# Altium PCB top_LM_v3.PcbDoc (part 4 of 6) (continued)
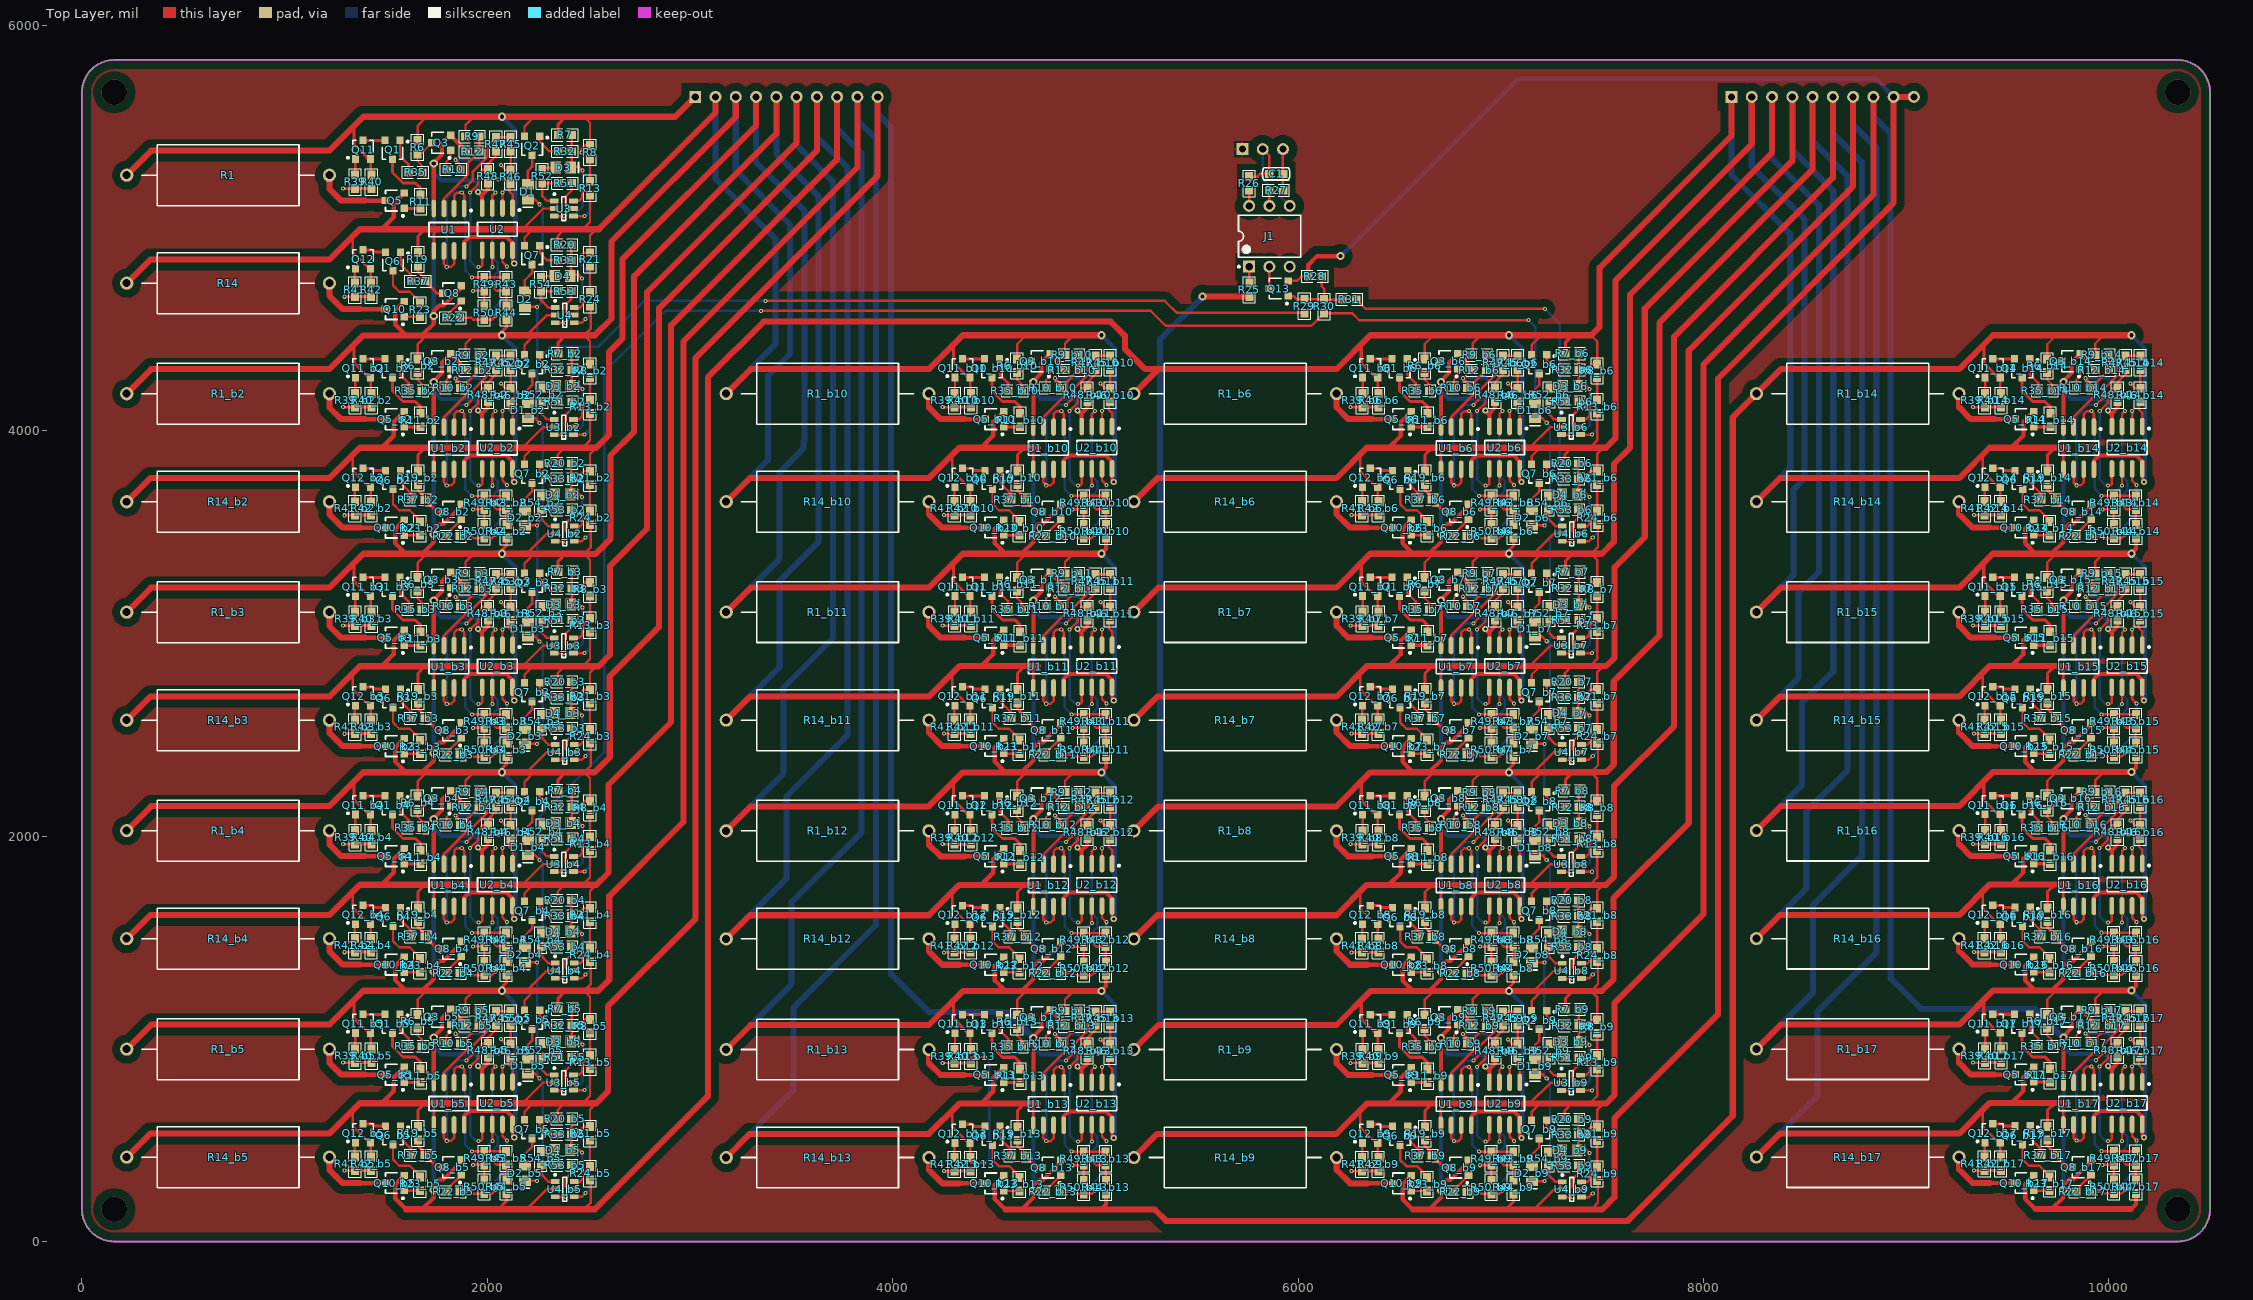
[diagram p0: Top Layer view]
## Nets (pads, with @x,y where several pads share a name; then routed paths per layer and width w, separated by ;. In a path a pad name is that pad's centre, name@x,y a point inside that pad or via, vN(x,y) a via of type N, cw(c..) or ccw(c..) an arc to the next point about the centre after c; other vN are vias at no path point) (continued)
  Bottom Layer w12: v1(7431.25,1610) 7431.25,1587 7474.25,1544 7474.25,1337 v1(7454.25,1317)
  Bottom Layer w20: v2(9776.57,1332.58) 9776.57,2037.58 ; v2(9776.57,2084.58) 9776.57,2037.58 ; v3(9995.57,1944.58) 9995.57,1983.58 9976.57,2002.58 9811.57,2002.58 9776.57,2037.58 ; v2(10112.44,1237.86) 10178.57,1171.72 10178.57,518.58 v3(10173.57,513.58)
  Bottom Layer w30: R1_b17.2@8261.57,949.58 8541.82,1229.83 8541.82,1662.32 8782.4,1902.9 8782.4,5325.9 8638.82,5469.48 P2.6@8638.82,5648.32
IN_B8: P2.8 Q3_b17.2 Q5_b9.2 Q7_b9.2 Q8_b17.2 Q10_b17.2 Q12_b9.2 R12_b17.1 R13_b9.1 R14_b9.2 R19_b9.2 R20_b9.2 R21_b9.2 R42_b9.1 R44_b17.2 R48_b17.2 U1_b9.5 U1_b17.4 U2_b17.4 U3_b9.2 U4_b9.4 | length 17992
  Top Layer w12: 6306.08,645.36 6306.08,565.58 6385.34,486.32 Q12_b9.2@6393.48,486.32 6393.48,417.64 R42_b9.1@6396.08,415.05 ; U1_b9.5@6705.08,574.09 6705.08,658.86 6727.08,680.86 ; 7139.25,680.86 7143.11,680.86 7245.25,783 U3_b9.2@7300.01,783 ; Q7_b9.2@7152.85,599.26 7152.85,638.76 7194.94,680.86 ; 7174.25,680.86 7179.11,680.86 ; R20_b9.2@7316.79,604 7316.79,647.39 7350.25,680.86 ; U4_b9.4@7398.5,219.6 7435.85,219.6 v1(7454.25,238) ; v1(7431.25,531) 7431.25,551 7445.57,565.32 R21_b9.2@7475.94,565.32 7475.94,649.86 7495.01,668.92 ; 7442.25,680.86 7442.25,683 7475.94,716.69 R13_b9.1@7475.94,850.39
  Top Layer w15: R19_b9.2@6626.94,566.32 6626.94,645.86 6661.94,680.86 6665.94,680.86
  Top Layer w20: 9720.44,162.39 9776.57,218.53 v2(9776.57,254.58) 9776.57,279.58 9803.57,306.58 9825.01,306.58 9912.83,394.4 Q8_b17.2@9912.83,403.98 ; 9740.44,158.86 9741.37,159.79 ; U1_b17.4@9776.57,785.07 v2(9776.57,1006.58) 9776.57,1012.58 9816.57,1052.58 9816.57,1103.72 Q3_b17.2@9859.83,1146.98 9859.83,1144.23 9933.11,1070.96 R12_b17.1@9933.11,1065.58 ; v3(9995.57,866.58) 10009.57,852.58 10015.57,852.58 ; U2_b17.4@10015.57,787.34 10015.57,852.58 ; R48_b17.2@10043.57,910.12 10043.57,880.58 10015.57,852.58 ; 10110.57,159.79 10134.57,183.79 R44_b17.2@10134.57,237.12
  Top Layer w22: 6447.94,680.86 6507.94,740.86 6507.94,808 Q5_b9.2@6559.2,859.26 ; Q10_b17.2@9630.7,326.26 9587.44,283 9587.44,210.86 9638.51,159.79
  Top Layer w30: R14_b9.2@5190.08,414.58 5306.35,530.86 6190.08,530.86 6340.08,680.86 6447.94,680.86 6661.94,680.86 ; 6665.94,680.86 6727.08,680.86 7139.25,680.86 ; 7143.11,680.86 7174.25,680.86 ; 7179.11,680.86 7194.94,680.86 7350.25,680.86 7442.25,680.86 7519.61,680.86 7561,722.25 7561,1176 8000.25,1615.25 8000.25,4327.3 8839,5166.05 P2.8@8839,5648 ; 9638.51,159.79 9741.37,159.79 10110.57,159.79
  Bottom Layer w12: v1(7431.25,531) 7431.25,508 7474.25,465 7474.25,258 v1(7454.25,238)
  Bottom Layer w20: v2(9776.57,254.58) 9776.57,959.58 ; v2(9776.57,1006.58) 9776.57,959.58 ; v3(9995.57,866.58) 9995.57,905.58 9976.57,924.58 9811.57,924.58 9776.57,959.58
  Bottom Layer w30: P2.8@8838.82,5648.32 8838.82,5552.32 8923.82,5467.32 8923.82,1298 9073.82,1148 9635.15,1148 v2(9776.57,1006.58)
IN_C8: P2.9 P2.10 Q3_b9.2 Q8_b9.2 Q10_b9.2 Q13.2 R12_b9.1 R24_b9.1 R28.1 R44_b9.2 R48_b9.2 U1_b9.4 U2_b9.4 U4_b9.2 | length 13259.1
  Top Layer w12: Q13.2@5951.08,4739.72 5994.23,4739.72 6016.82,4762.32 R28.1@6050.36,4762.32 ; 7164.79,158.54 7263.25,257 U4_b9.2@7304.01,257 ; 7446.67,158.2 7480.25,191.78 7480.25,297.08 R24_b9.1@7475.94,301.39
  Top Layer w15: 7027.25,157.79 7027.25,161 7063.08,196.82 R44_b9.2@7063.08,235.12
  Top Layer w20: 6648.94,160.39 6705.08,216.53 v2(6705.08,252.58) 6705.08,277.58 6732.08,304.58 6753.52,304.58 6841.34,392.4 Q8_b9.2@6841.34,401.98 ; U1_b9.4@6705.08,783.07 v2(6705.08,1004.58) 6705.08,1010.58 6745.08,1050.58 6745.08,1101.72 Q3_b9.2@6788.34,1144.98 6788.34,1142.23 6861.61,1068.96 R12_b9.1@6861.61,1063.58 ; v3(6924.08,864.58) 6938.08,850.58 6944.08,850.58 ; U2_b9.4@6944.08,785.34 6944.08,850.58 ; R48_b9.2@6972.08,908.12 6972.08,878.58 6944.08,850.58
  Top Layer w22: R28.1@6050.36,4762.32 6050.36,4818.86 6093.82,4862.32 v2(6209.82,4862.32) ; Q10_b9.2@6559.2,324.26 6515.94,281 6515.94,208.86 6566.26,158.54
  Top Layer w30: 6567.01,157.79 7027.25,157.79 7500.08,157.79 7561,218.71 7561,609 8072.62,1120.62 8072.62,4258.25 8939,5124.63 P2.9@8939,5648 ; P2.9@8938.82,5648.32 P2.10@9038.82,5648.32
  Bottom Layer w20: v2(6705.08,252.58) 6705.08,957.58 ; v2(6705.08,1004.58) 6705.08,957.58 ; v3(6924.08,864.58) 6924.08,903.58 6905.08,922.58 6740.08,922.58 6705.08,957.58
  Bottom Layer w22: v2@6210.82,4862.32 7085.5,5737 8850.14,5737 P2.9@8938.82,5648.32
NetD1_1: D1.1 Q2.3 | length 153
  Top Layer w12: D1.1@2200,5216.4 2200,5283 2221,5304 Q2.3@2221,5360.74
NetD1_b2_1: D1_b2.1 Q2_b2.3 | length 153
  Top Layer w12: D1_b2.1@2200,4138.08 2200,4204.68 2221,4225.68 Q2_b2.3@2221,4282.42
NetD1_b3_1: D1_b3.1 Q2_b3.3 | length 153
  Top Layer w12: D1_b3.1@2200,3060.08 2200,3126.68 2221,3147.68 Q2_b3.3@2221,3204.42
NetD1_b4_1: D1_b4.1 Q2_b4.3 | length 153
  Top Layer w12: D1_b4.1@2200,1982.08 2200,2048.68 2221,2069.68 Q2_b4.3@2221,2126.42
NetD1_b5_1: D1_b5.1 Q2_b5.3 | length 153
  Top Layer w12: D1_b5.1@2200,904.08 2200,970.68 2221,991.68 Q2_b5.3@2221,1048.42
NetD1_b6_1: D1_b6.1 Q2_b6.3 | length 153
  Top Layer w12: D1_b6.1@7169.25,4138.4 7169.25,4205 7190.25,4226 Q2_b6.3@7190.25,4282.74
NetD1_b7_1: D1_b7.1 Q2_b7.3 | length 153
  Top Layer w12: D1_b7.1@7169.25,3060.4 7169.25,3127 7190.25,3148 Q2_b7.3@7190.25,3204.74
NetD1_b8_1: D1_b8.1 Q2_b8.3 | length 153
  Top Layer w12: D1_b8.1@7169.25,1981.4 7169.25,2048 7190.25,2069 Q2_b8.3@7190.25,2125.74
NetD1_b9_1: D1_b9.1 Q2_b9.3 | length 153
  Top Layer w12: D1_b9.1@7169.25,902.4 7169.25,969 7190.25,990 Q2_b9.3@7190.25,1046.74
NetD1_b10_1: 
NetD1_b11_1: 
NetD1_b12_1: 
NetD1_b13_1: 
NetD1_b14_1: 
NetD1_b15_1: 
NetD1_b16_1: 
NetD1_b17_1: 
NetD2_1: D2.1 Q7.3 | length 148.2
  Top Layer w12: D2.1@2185,4687.4 2185,4743 2221,4779 Q7.3@2221,4820.74
NetD2_b2_1: D2_b2.1 Q7_b2.3 | length 148.2
  Top Layer w12: D2_b2.1@2185,3609.08 2185,3664.68 2221,3700.68 Q7_b2.3@2221,3742.42
NetD2_b3_1: D2_b3.1 Q7_b3.3 | length 148.2
  Top Layer w12: D2_b3.1@2185,2531.08 2185,2586.68 2221,2622.68 Q7_b3.3@2221,2664.42
NetD2_b4_1: D2_b4.1 Q7_b4.3 | length 148.2
  Top Layer w12: D2_b4.1@2185,1453.08 2185,1508.68 2221,1544.68 Q7_b4.3@2221,1586.42
NetD2_b5_1: D2_b5.1 Q7_b5.3 | length 148.2
  Top Layer w12: D2_b5.1@2185,375.08 2185,430.68 2221,466.68 Q7_b5.3@2221,508.42
NetD2_b6_1: D2_b6.1 Q7_b6.3 | length 148.2
  Top Layer w12: D2_b6.1@7154.25,3609.4 7154.25,3665 7190.25,3701 Q7_b6.3@7190.25,3742.74
NetD2_b7_1: D2_b7.1 Q7_b7.3 | length 148.2
  Top Layer w12: D2_b7.1@7154.25,2531.4 7154.25,2587 7190.25,2623 Q7_b7.3@7190.25,2664.74
NetD2_b8_1: D2_b8.1 Q7_b8.3 | length 148.2
  Top Layer w12: D2_b8.1@7154.25,1452.4 7154.25,1508 7190.25,1544 Q7_b8.3@7190.25,1585.74
NetD2_b9_1: D2_b9.1 Q7_b9.3 | length 148.2
  Top Layer w12: D2_b9.1@7154.25,373.4 7154.25,429 7190.25,465 Q7_b9.3@7190.25,506.74
NetD2_b10_1: 
NetD2_b11_1: 
NetD2_b12_1: 
NetD2_b13_1: 
NetD2_b14_1: 
NetD2_b15_1: 
NetD2_b16_1: 
NetD2_b17_1: 
NetD3_1: D3.1 R52.2 | length 70.5
  Top Layer w12: R52.2@2271,5289.46 2280.54,5299 D3.1@2337.6,5299
NetD3_b2_1: D3_b2.1 R52_b2.2 | length 70.5
  Top Layer w12: R52_b2.2@2271,4211.14 2280.54,4220.68 D3_b2.1@2337.6,4220.68
NetD3_b3_1: D3_b3.1 R52_b3.2 | length 70.5
  Top Layer w12: R52_b3.2@2271,3133.14 2280.54,3142.68 D3_b3.1@2337.6,3142.68
NetD3_b4_1: D3_b4.1 R52_b4.2 | length 70.5
  Top Layer w12: R52_b4.2@2271,2055.14 2280.54,2064.68 D3_b4.1@2337.6,2064.68
NetD3_b5_1: D3_b5.1 R52_b5.2 | length 70.5
  Top Layer w12: R52_b5.2@2271,977.14 2280.54,986.68 D3_b5.1@2337.6,986.68
NetD3_b6_1: D3_b6.1 R52_b6.2 | length 70.5
  Top Layer w12: R52_b6.2@7240.25,4211.46 7249.79,4221 D3_b6.1@7306.85,4221
NetD3_b7_1: D3_b7.1 R52_b7.2 | length 70.5
  Top Layer w12: R52_b7.2@7240.25,3133.46 7249.79,3143 D3_b7.1@7306.85,3143
NetD3_b8_1: D3_b8.1 R52_b8.2 | length 70.5
  Top Layer w12: R52_b8.2@7240.25,2054.46 7249.79,2064 D3_b8.1@7306.85,2064
NetD3_b9_1: D3_b9.1 R52_b9.2 | length 70.5
  Top Layer w12: R52_b9.2@7240.25,975.46 7249.79,985 D3_b9.1@7306.85,985
NetD3_b10_1: 
NetD3_b11_1: 
NetD3_b12_1: 
NetD3_b13_1: 
NetD3_b14_1: 
NetD3_b15_1: 
NetD3_b16_1: 
NetD3_b17_1: 
NetD4_1: D4.1 R54.2 | length 72.7
  Top Layer w12: R54.2@2264,4756.46 2271.54,4764 D4.1@2333.6,4764
NetD4_b2_1: D4_b2.1 R54_b2.2 | length 72.7
  Top Layer w12: R54_b2.2@2264,3678.14 2271.54,3685.68 D4_b2.1@2333.6,3685.68
NetD4_b3_1: D4_b3.1 R54_b3.2 | length 72.7
  Top Layer w12: R54_b3.2@2264,2600.14 2271.54,2607.68 D4_b3.1@2333.6,2607.68
NetD4_b4_1: D4_b4.1 R54_b4.2 | length 72.7
  Top Layer w12: R54_b4.2@2264,1522.14 2271.54,1529.68 D4_b4.1@2333.6,1529.68
NetD4_b5_1: D4_b5.1 R54_b5.2 | length 72.7
  Top Layer w12: R54_b5.2@2264,444.14 2271.54,451.68 D4_b5.1@2333.6,451.68
NetD4_b6_1: D4_b6.1 R54_b6.2 | length 72.7
  Top Layer w12: R54_b6.2@7233.25,3678.46 7240.79,3686 D4_b6.1@7302.85,3686
NetD4_b7_1: D4_b7.1 R54_b7.2 | length 72.7
  Top Layer w12: R54_b7.2@7233.25,2600.46 7240.79,2608 D4_b7.1@7302.85,2608
NetD4_b8_1: D4_b8.1 R54_b8.2 | length 72.7
  Top Layer w12: R54_b8.2@7233.25,1521.46 7240.79,1529 D4_b8.1@7302.85,1529
NetD4_b9_1: D4_b9.1 R54_b9.2 | length 72.7
  Top Layer w12: R54_b9.2@7233.25,442.46 7240.79,450 D4_b9.1@7302.85,450
NetD4_b10_1: 
NetD4_b11_1: 
NetD4_b12_1: 
NetD4_b13_1: 
NetD4_b14_1: 
NetD4_b15_1: 
NetD4_b16_1: 
NetD4_b17_1: 
NetJ1_1: J1.1 R25.2 | length 79.4
  Top Layer w12: R25.2@5759.82,4729.79 J1.1@5759.82,4809.18
NetJ1_2: J1.2 Q13.3 | length 107.9
  Top Layer w12: Q13.3@5858.56,4702.32 5858.56,4809.56 J1.2@5859,4810
NetJ1_5: J1.5 R27.1 | length 76.5
  Top Layer w12: J1.5@5859,5110 R27.1@5859,5186.54
NetJ1_6: J1.6 R26.1 | length 77.5
  Top Layer w12: J1.6@5759,5110 R26.1@5759,5187.54
NetQ1_1: Q1.1 R35.2 | length 175.3
  Top Layer w12: Q1.1@1569.63,5433.58 1569.63,5356.78 1611.36,5315.05 R35.2@1611.36,5275.58
NetQ1_2: Q1.2 Q11.3 | length 107.7
  Top Layer w15: Q11.3@1387.08,5433.58 Q1.2@1494.82,5433.58
NetQ1_3: Q1.3 R11.2 | length 268.8
  Top Layer w15: Q1.3@1532.23,5341.06 1532.23,5274.79 1583.69,5223.32 1644.08,5223.32 1670.82,5196.58 R11.2@1670.82,5165.05
NetQ1_b2_1: Q1_b2.1 R35_b2.2 | length 175.3
  Top Layer w12: Q1_b2.1@1569.63,4355.26 1569.63,4278.46 1611.36,4236.72 R35_b2.2@1611.36,4197.26
NetQ1_b2_2: Q1_b2.2 Q11_b2.3 | length 107.7
  Top Layer w15: Q11_b2.3@1387.08,4355.26 Q1_b2.2@1494.82,4355.26
NetQ1_b2_3: Q1_b2.3 R11_b2.2 | length 268.8
  Top Layer w15: Q1_b2.3@1532.23,4262.74 1532.23,4196.46 1583.69,4145 1644.08,4145 1670.82,4118.26 R11_b2.2@1670.82,4086.72
NetQ1_b3_1: Q1_b3.1 R35_b3.2 | length 175.3
  Top Layer w12: Q1_b3.1@1569.63,3277.26 1569.63,3200.46 1611.36,3158.72 R35_b3.2@1611.36,3119.26
NetQ1_b3_2: Q1_b3.2 Q11_b3.3 | length 107.7
  Top Layer w15: Q11_b3.3@1387.08,3277.26 Q1_b3.2@1494.82,3277.26
NetQ1_b3_3: Q1_b3.3 R11_b3.2 | length 268.8
  Top Layer w15: Q1_b3.3@1532.23,3184.74 1532.23,3118.46 1583.69,3067 1644.08,3067 1670.82,3040.26 R11_b3.2@1670.82,3008.72
NetQ1_b4_1: Q1_b4.1 R35_b4.2 | length 175.3
  Top Layer w12: Q1_b4.1@1569.63,2199.26 1569.63,2122.46 1611.36,2080.72 R35_b4.2@1611.36,2041.26
NetQ1_b4_2: Q1_b4.2 Q11_b4.3 | length 107.7
  Top Layer w15: Q11_b4.3@1387.08,2199.26 Q1_b4.2@1494.82,2199.26
NetQ1_b4_3: Q1_b4.3 R11_b4.2 | length 268.8
  Top Layer w15: Q1_b4.3@1532.23,2106.74 1532.23,2040.46 1583.69,1989 1644.08,1989 1670.82,1962.26 R11_b4.2@1670.82,1930.72
NetQ1_b5_1: Q1_b5.1 R35_b5.2 | length 175.3
  Top Layer w12: Q1_b5.1@1569.63,1121.26 1569.63,1044.46 1611.36,1002.72 R35_b5.2@1611.36,963.26
NetQ1_b5_2: Q1_b5.2 Q11_b5.3 | length 107.7
  Top Layer w15: Q11_b5.3@1387.08,1121.26 Q1_b5.2@1494.82,1121.26
NetQ1_b5_3: Q1_b5.3 R11_b5.2 | length 268.8
  Top Layer w15: Q1_b5.3@1532.23,1028.74 1532.23,962.46 1583.69,911 1644.08,911 1670.82,884.26 R11_b5.2@1670.82,852.72
NetQ1_b6_1: Q1_b6.1 R35_b6.2 | length 175.3
  Top Layer w12: Q1_b6.1@6538.88,4355.58 6538.88,4278.78 6580.61,4237.05 R35_b6.2@6580.61,4197.58
NetQ1_b6_2: Q1_b6.2 Q11_b6.3 | length 107.7
  Top Layer w15: Q11_b6.3@6356.34,4355.58 Q1_b6.2@6464.08,4355.58
NetQ1_b6_3: Q1_b6.3 R11_b6.2 | length 268.8
  Top Layer w15: Q1_b6.3@6501.48,4263.06 6501.48,4196.79 6552.94,4145.32 6613.34,4145.32 6640.08,4118.58 R11_b6.2@6640.08,4087.05
NetQ1_b7_1: Q1_b7.1 R35_b7.2 | length 175.3
  Top Layer w12: Q1_b7.1@6538.88,3277.58 6538.88,3200.78 6580.61,3159.05 R35_b7.2@6580.61,3119.58
NetQ1_b7_2: Q1_b7.2 Q11_b7.3 | length 107.7
  Top Layer w15: Q11_b7.3@6356.34,3277.58 Q1_b7.2@6464.08,3277.58
NetQ1_b7_3: Q1_b7.3 R11_b7.2 | length 268.8
  Top Layer w15: Q1_b7.3@6501.48,3185.06 6501.48,3118.79 6552.94,3067.32 6613.34,3067.32 6640.08,3040.58 R11_b7.2@6640.08,3009.05
NetQ1_b8_1: Q1_b8.1 R35_b8.2 | length 175.3
  Top Layer w12: Q1_b8.1@6538.88,2198.58 6538.88,2121.78 6580.61,2080.05 R35_b8.2@6580.61,2040.58
NetQ1_b8_2: Q1_b8.2 Q11_b8.3 | length 107.7
  Top Layer w15: Q11_b8.3@6356.34,2198.58 Q1_b8.2@6464.08,2198.58
NetQ1_b8_3: Q1_b8.3 R11_b8.2 | length 268.8
  Top Layer w15: Q1_b8.3@6501.48,2106.06 6501.48,2039.79 6552.94,1988.32 6613.34,1988.32 6640.08,1961.58 R11_b8.2@6640.08,1930.05
NetQ1_b9_1: Q1_b9.1 R35_b9.2 | length 175.3
  Top Layer w12: Q1_b9.1@6538.88,1119.58 6538.88,1042.78 6580.61,1001.05 R35_b9.2@6580.61,961.58
NetQ1_b9_2: Q1_b9.2 Q11_b9.3 | length 107.7
  Top Layer w15: Q11_b9.3@6356.34,1119.58 Q1_b9.2@6464.08,1119.58
NetQ1_b9_3: Q1_b9.3 R11_b9.2 | length 268.8
  Top Layer w15: Q1_b9.3@6501.48,1027.06 6501.48,960.79 6552.94,909.32 6613.34,909.32 6640.08,882.58 R11_b9.2@6640.08,851.05
NetQ1_b10_1: Q1_b10.1 R35_b10.2 | length 175.3
  Top Layer w12: Q1_b10.1@4527.63,4355.58 4527.63,4278.78 4569.36,4237.05 R35_b10.2@4569.36,4197.58
NetQ1_b10_2: Q1_b10.2 Q11_b10.3 | length 107.7
  Top Layer w15: Q11_b10.3@4345.08,4355.58 Q1_b10.2@4452.82,4355.58
NetQ1_b10_3: Q1_b10.3 R11_b10.2 | length 268.8
  Top Layer w15: Q1_b10.3@4490.23,4263.06 4490.23,4196.79 4541.69,4145.32 4602.08,4145.32 4628.82,4118.58 R11_b10.2@4628.82,4087.05
NetQ1_b11_1: Q1_b11.1 R35_b11.2 | length 175.3
  Top Layer w12: Q1_b11.1@4527.63,3277.58 4527.63,3200.78 4569.36,3159.05 R35_b11.2@4569.36,3119.58
NetQ1_b11_2: Q1_b11.2 Q11_b11.3 | length 107.7
  Top Layer w15: Q11_b11.3@4345.08,3277.58 Q1_b11.2@4452.82,3277.58
NetQ1_b11_3: Q1_b11.3 R11_b11.2 | length 268.8
  Top Layer w15: Q1_b11.3@4490.23,3185.06 4490.23,3118.79 4541.69,3067.32 4602.08,3067.32 4628.82,3040.58 R11_b11.2@4628.82,3009.05
NetQ1_b12_1: Q1_b12.1 R35_b12.2 | length 175.3
  Top Layer w12: Q1_b12.1@4527.63,2198.58 4527.63,2121.78 4569.36,2080.05 R35_b12.2@4569.36,2040.58
NetQ1_b12_2: Q1_b12.2 Q11_b12.3 | length 107.7
  Top Layer w15: Q11_b12.3@4345.08,2198.58 Q1_b12.2@4452.82,2198.58
NetQ1_b12_3: Q1_b12.3 R11_b12.2 | length 268.8
  Top Layer w15: Q1_b12.3@4490.23,2106.06 4490.23,2039.79 4541.69,1988.32 4602.08,1988.32 4628.82,1961.58 R11_b12.2@4628.82,1930.05
NetQ1_b13_1: Q1_b13.1 R35_b13.2 | length 175.3
  Top Layer w12: Q1_b13.1@4527.63,1119.58 4527.63,1042.78 4569.36,1001.05 R35_b13.2@4569.36,961.58
NetQ1_b13_2: Q1_b13.2 Q11_b13.3 | length 107.7
  Top Layer w15: Q11_b13.3@4345.08,1119.58 Q1_b13.2@4452.82,1119.58
NetQ1_b13_3: Q1_b13.3 R11_b13.2 | length 268.8
  Top Layer w15: Q1_b13.3@4490.23,1027.06 4490.23,960.79 4541.69,909.32 4602.08,909.32 4628.82,882.58 R11_b13.2@4628.82,851.05
NetQ1_b14_1: Q1_b14.1 R35_b14.2 | length 175.3
  Top Layer w12: Q1_b14.1@9610.63,4355.58 9610.63,4278.78 9652.36,4237.05 R35_b14.2@9652.36,4197.58
NetQ1_b14_2: Q1_b14.2 Q11_b14.3 | length 107.7
  Top Layer w15: Q11_b14.3@9428.08,4355.58 Q1_b14.2@9535.82,4355.58
NetQ1_b14_3: Q1_b14.3 R11_b14.2 | length 268.8
  Top Layer w15: Q1_b14.3@9573.23,4263.06 9573.23,4196.79 9624.69,4145.32 9685.08,4145.32 9711.82,4118.58 R11_b14.2@9711.82,4087.05
NetQ1_b15_1: Q1_b15.1 R35_b15.2 | length 175.3
  Top Layer w12: Q1_b15.1@9610.38,3277.58 9610.38,3200.78 9652.11,3159.05 R35_b15.2@9652.11,3119.58
NetQ1_b15_2: Q1_b15.2 Q11_b15.3 | length 107.7
  Top Layer w15: Q11_b15.3@9427.83,3277.58 Q1_b15.2@9535.57,3277.58
NetQ1_b15_3: Q1_b15.3 R11_b15.2 | length 268.8
  Top Layer w15: Q1_b15.3@9572.97,3185.06 9572.97,3118.79 9624.44,3067.32 9684.83,3067.32 9711.57,3040.58 R11_b15.2@9711.57,3009.05
NetQ1_b16_1: Q1_b16.1 R35_b16.2 | length 175.3
  Top Layer w12: Q1_b16.1@9610.38,2199.58 9610.38,2122.78 9652.11,2081.05 R35_b16.2@9652.11,2041.58
NetQ1_b16_2: Q1_b16.2 Q11_b16.3 | length 107.7
  Top Layer w15: Q11_b16.3@9427.83,2199.58 Q1_b16.2@9535.57,2199.58
NetQ1_b16_3: Q1_b16.3 R11_b16.2 | length 268.8
  Top Layer w15: Q1_b16.3@9572.97,2107.06 9572.97,2040.79 9624.44,1989.32 9684.83,1989.32 9711.57,1962.58 R11_b16.2@9711.57,1931.05
NetQ1_b17_1: Q1_b17.1 R35_b17.2 | length 175.3
  Top Layer w12: Q1_b17.1@9610.38,1121.58 9610.38,1044.78 9652.11,1003.05 R35_b17.2@9652.11,963.58
NetQ1_b17_2: Q1_b17.2 Q11_b17.3 | length 107.7
  Top Layer w15: Q11_b17.3@9427.83,1121.58 Q1_b17.2@9535.57,1121.58
NetQ1_b17_3: Q1_b17.3 R11_b17.2 | length 268.8
  Top Layer w15: Q1_b17.3@9572.97,1029.06 9572.97,962.79 9624.44,911.32 9684.83,911.32 9711.57,884.58 R11_b17.2@9711.57,853.05
NetQ2_1: Q2.1 R32.2 | length 136.9
  Top Layer w12: Q2.1@2258.4,5453.26 2258.4,5427.6 2307,5379 R32.2@2349.54,5379
NetQ2_b2_1: Q2_b2.1 R32_b2.2 | length 136.9
  Top Layer w12: Q2_b2.1@2258.4,4374.94 2258.4,4349.28 2307,4300.68 R32_b2.2@2349.54,4300.68
NetQ2_b3_1: Q2_b3.1 R32_b3.2 | length 136.9
  Top Layer w12: Q2_b3.1@2258.4,3296.94 2258.4,3271.28 2307,3222.68 R32_b3.2@2349.54,3222.68
NetQ2_b4_1: Q2_b4.1 R32_b4.2 | length 136.9
  Top Layer w12: Q2_b4.1@2258.4,2218.94 2258.4,2193.28 2307,2144.68 R32_b4.2@2349.54,2144.68
NetQ2_b5_1: Q2_b5.1 R32_b5.2 | length 136.9
  Top Layer w12: Q2_b5.1@2258.4,1140.94 2258.4,1115.28 2307,1066.68 R32_b5.2@2349.54,1066.68
NetQ2_b6_1: Q2_b6.1 R32_b6.2 | length 136.9
  Top Layer w12: Q2_b6.1@7227.65,4375.26 7227.65,4349.6 7276.25,4301 R32_b6.2@7318.79,4301
NetQ2_b7_1: Q2_b7.1 R32_b7.2 | length 136.9
  Top Layer w12: Q2_b7.1@7227.65,3297.26 7227.65,3271.6 7276.25,3223 R32_b7.2@7318.79,3223
NetQ2_b8_1: Q2_b8.1 R32_b8.2 | length 136.9
  Top Layer w12: Q2_b8.1@7227.65,2218.26 7227.65,2192.6 7276.25,2144 R32_b8.2@7318.79,2144
NetQ2_b9_1: Q2_b9.1 R32_b9.2 | length 136.9
  Top Layer w12: Q2_b9.1@7227.65,1139.26 7227.65,1113.6 7276.25,1065 R32_b9.2@7318.79,1065
NetQ2_b10_1: 
NetQ2_b11_1: 
NetQ2_b12_1: 
NetQ2_b13_1: 
NetQ2_b14_1: 
NetQ2_b15_1: 
NetQ2_b16_1: 
NetQ2_b17_1: 
NetQ3_1: Q3.1 R10.1 | length 101.8
  Top Layer w10: R10.1@1799.36,5290.58 1799.36,5330.12 1819.08,5349.84 Q3.1@1819.08,5384.18
NetQ3_3: Q3.3 R6.1 R35.1 | length 193.4
  Top Layer w10: R6.1@1655.69,5365.86 R6.1@1656.09,5365.86 ; R35.1@1678.29,5275.58 1678.29,5307.12 1656.09,5329.31 R6.1@1656.09,5365.86 ; Q3.3@1726.56,5421.58 1670.84,5365.86 R6.1@1656.09,5365.86
NetQ3_b2_1: Q3_b2.1 R10_b2.1 | length 101.8
  Top Layer w10: R10_b2.1@1799.36,4212.26 1799.36,4251.8 1819.08,4271.52 Q3_b2.1@1819.08,4305.86
NetQ3_b2_3: Q3_b2.3 R6_b2.1 R35_b2.1 | length 193.4
  Top Layer w10: R6_b2.1@1655.69,4287.54 R6_b2.1@1656.09,4287.54 ; R35_b2.1@1678.29,4197.26 1678.29,4228.8 1656.09,4250.99 R6_b2.1@1656.09,4287.54 ; Q3_b2.3@1726.56,4343.26 1670.84,4287.54 R6_b2.1@1656.09,4287.54
NetQ3_b3_1: Q3_b3.1 R10_b3.1 | length 101.8
  Top Layer w10: R10_b3.1@1799.36,3134.26 1799.36,3173.8 1819.08,3193.52 Q3_b3.1@1819.08,3227.86
NetQ3_b3_3: Q3_b3.3 R6_b3.1 R35_b3.1 | length 193.4
  Top Layer w10: R6_b3.1@1655.69,3209.54 R6_b3.1@1656.09,3209.54 ; R35_b3.1@1678.29,3119.26 1678.29,3150.8 1656.09,3172.99 R6_b3.1@1656.09,3209.54 ; Q3_b3.3@1726.56,3265.26 1670.84,3209.54 R6_b3.1@1656.09,3209.54
NetQ3_b4_1: Q3_b4.1 R10_b4.1 | length 101.8
  Top Layer w10: R10_b4.1@1799.36,2056.26 1799.36,2095.8 1819.08,2115.52 Q3_b4.1@1819.08,2149.86
NetQ3_b4_3: Q3_b4.3 R6_b4.1 R35_b4.1 | length 193.4
  Top Layer w10: R6_b4.1@1655.69,2131.54 R6_b4.1@1656.09,2131.54 ; R35_b4.1@1678.29,2041.26 1678.29,2072.8 1656.09,2094.99 R6_b4.1@1656.09,2131.54 ; Q3_b4.3@1726.56,2187.26 1670.84,2131.54 R6_b4.1@1656.09,2131.54
NetQ3_b5_1: Q3_b5.1 R10_b5.1 | length 101.8
  Top Layer w10: R10_b5.1@1799.36,978.26 1799.36,1017.8 1819.08,1037.52 Q3_b5.1@1819.08,1071.86
NetQ3_b5_3: Q3_b5.3 R6_b5.1 R35_b5.1 | length 193.4
  Top Layer w10: R6_b5.1@1655.69,1053.54 R6_b5.1@1656.09,1053.54 ; R35_b5.1@1678.29,963.26 1678.29,994.8 1656.09,1016.99 R6_b5.1@1656.09,1053.54 ; Q3_b5.3@1726.56,1109.26 1670.84,1053.54 R6_b5.1@1656.09,1053.54
NetQ3_b6_1: Q3_b6.1 R10_b6.1 | length 101.8
  Top Layer w10: R10_b6.1@6768.61,4212.58 6768.61,4252.12 6788.34,4271.84 Q3_b6.1@6788.34,4306.18
NetQ3_b6_3: Q3_b6.3 R6_b6.1 R35_b6.1 | length 193.4
  Top Layer w10: R6_b6.1@6624.94,4287.86 R6_b6.1@6625.34,4287.86 ; R35_b6.1@6647.54,4197.58 6647.54,4229.12 6625.34,4251.31 R6_b6.1@6625.34,4287.86 ; Q3_b6.3@6695.82,4343.58 6640.09,4287.86 R6_b6.1@6625.34,4287.86
NetQ3_b7_1: Q3_b7.1 R10_b7.1 | length 101.8
  Top Layer w10: R10_b7.1@6768.61,3134.58 6768.61,3174.12 6788.34,3193.84 Q3_b7.1@6788.34,3228.18
NetQ3_b7_3: Q3_b7.3 R6_b7.1 R35_b7.1 | length 193.4
  Top Layer w10: R6_b7.1@6624.94,3209.86 R6_b7.1@6625.34,3209.86 ; R35_b7.1@6647.54,3119.58 6647.54,3151.12 6625.34,3173.31 R6_b7.1@6625.34,3209.86 ; Q3_b7.3@6695.82,3265.58 6640.09,3209.86 R6_b7.1@6625.34,3209.86
NetQ3_b8_1: Q3_b8.1 R10_b8.1 | length 101.8
  Top Layer w10: R10_b8.1@6768.61,2055.58 6768.61,2095.12 6788.34,2114.84 Q3_b8.1@6788.34,2149.18
NetQ3_b8_3: Q3_b8.3 R6_b8.1 R35_b8.1 | length 193.4
  Top Layer w10: R6_b8.1@6624.94,2130.86 R6_b8.1@6625.34,2130.86 ; R35_b8.1@6647.54,2040.58 6647.54,2072.12 6625.34,2094.31 R6_b8.1@6625.34,2130.86 ; Q3_b8.3@6695.82,2186.58 6640.09,2130.86 R6_b8.1@6625.34,2130.86
NetQ3_b9_1: Q3_b9.1 R10_b9.1 | length 101.8
  Top Layer w10: R10_b9.1@6768.61,976.58 6768.61,1016.12 6788.34,1035.84 Q3_b9.1@6788.34,1070.18
NetQ3_b9_3: Q3_b9.3 R6_b9.1 R35_b9.1 | length 193.4
  Top Layer w10: R6_b9.1@6624.94,1051.86 R6_b9.1@6625.34,1051.86 ; R35_b9.1@6647.54,961.58 6647.54,993.12 6625.34,1015.31 R6_b9.1@6625.34,1051.86 ; Q3_b9.3@6695.82,1107.58 6640.09,1051.86 R6_b9.1@6625.34,1051.86
NetQ3_b10_1: Q3_b10.1 R10_b10.1 | length 101.8
  Top Layer w10: R10_b10.1@4757.36,4212.58 4757.36,4252.12 4777.08,4271.84 Q3_b10.1@4777.08,4306.18
NetQ3_b10_3: Q3_b10.3 R6_b10.1 R35_b10.1 | length 193.4
  Top Layer w10: R6_b10.1@4613.69,4287.86 R6_b10.1@4614.09,4287.86 ; R35_b10.1@4636.29,4197.58 4636.29,4229.12 4614.09,4251.31 R6_b10.1@4614.09,4287.86 ; Q3_b10.3@4684.56,4343.58 4628.84,4287.86 R6_b10.1@4614.09,4287.86
NetQ3_b11_1: Q3_b11.1 R10_b11.1 | length 101.8
  Top Layer w10: R10_b11.1@4757.36,3134.58 4757.36,3174.12 4777.08,3193.84 Q3_b11.1@4777.08,3228.18
NetQ3_b11_3: Q3_b11.3 R6_b11.1 R35_b11.1 | length 193.4
  Top Layer w10: R6_b11.1@4613.69,3209.86 R6_b11.1@4614.09,3209.86 ; R35_b11.1@4636.29,3119.58 4636.29,3151.12 4614.09,3173.31 R6_b11.1@4614.09,3209.86 ; Q3_b11.3@4684.56,3265.58 4628.84,3209.86 R6_b11.1@4614.09,3209.86
NetQ3_b12_1: Q3_b12.1 R10_b12.1 | length 101.8
  Top Layer w10: R10_b12.1@4757.36,2055.58 4757.36,2095.12 4777.08,2114.84 Q3_b12.1@4777.08,2149.18
NetQ3_b12_3: Q3_b12.3 R6_b12.1 R35_b12.1 | length 193.4
  Top Layer w10: R6_b12.1@4613.69,2130.86 R6_b12.1@4614.09,2130.86 ; R35_b12.1@4636.29,2040.58 4636.29,2072.12 4614.09,2094.31 R6_b12.1@4614.09,2130.86 ; Q3_b12.3@4684.56,2186.58 4628.84,2130.86 R6_b12.1@4614.09,2130.86
NetQ3_b13_1: Q3_b13.1 R10_b13.1 | length 101.8
  Top Layer w10: R10_b13.1@4757.36,976.58 4757.36,1016.12 4777.08,1035.84 Q3_b13.1@4777.08,1070.18
NetQ3_b13_3: Q3_b13.3 R6_b13.1 R35_b13.1 | length 193.4
  Top Layer w10: R6_b13.1@4613.69,1051.86 R6_b13.1@4614.09,1051.86 ; R35_b13.1@4636.29,961.58 4636.29,993.12 4614.09,1015.31 R6_b13.1@4614.09,1051.86 ; Q3_b13.3@4684.56,1107.58 4628.84,1051.86 R6_b13.1@4614.09,1051.86
NetQ3_b14_1: Q3_b14.1 R10_b14.1 | length 101.8
  Top Layer w10: R10_b14.1@9840.36,4212.58 9840.36,4252.12 9860.08,4271.84 Q3_b14.1@9860.08,4306.18
NetQ3_b14_3: Q3_b14.3 R6_b14.1 R35_b14.1 | length 193.4
  Top Layer w10: R6_b14.1@9696.69,4287.86 R6_b14.1@9697.09,4287.86 ; R35_b14.1@9719.29,4197.58 9719.29,4229.12 9697.09,4251.31 R6_b14.1@9697.09,4287.86 ; Q3_b14.3@9767.56,4343.58 9711.84,4287.86 R6_b14.1@9697.09,4287.86
NetQ3_b15_1: Q3_b15.1 R10_b15.1 | length 101.8
  Top Layer w10: R10_b15.1@9840.11,3134.58 9840.11,3174.12 9859.83,3193.84 Q3_b15.1@9859.83,3228.18
NetQ3_b15_3: Q3_b15.3 R6_b15.1 R35_b15.1 | length 193.4
  Top Layer w10: R6_b15.1@9696.44,3209.86 R6_b15.1@9696.84,3209.86 ; R35_b15.1@9719.04,3119.58 9719.04,3151.12 9696.84,3173.31 R6_b15.1@9696.84,3209.86 ; Q3_b15.3@9767.31,3265.58 9711.59,3209.86 R6_b15.1@9696.84,3209.86
NetQ3_b16_1: Q3_b16.1 R10_b16.1 | length 101.8
  Top Layer w10: R10_b16.1@9840.11,2056.58 9840.11,2096.12 9859.83,2115.84 Q3_b16.1@9859.83,2150.18
NetQ3_b16_3: Q3_b16.3 R6_b16.1 R35_b16.1 | length 193.4
  Top Layer w10: R6_b16.1@9696.44,2131.86 R6_b16.1@9696.84,2131.86 ; R35_b16.1@9719.04,2041.58 9719.04,2073.12 9696.84,2095.31 R6_b16.1@9696.84,2131.86 ; Q3_b16.3@9767.31,2187.58 9711.59,2131.86 R6_b16.1@9696.84,2131.86
NetQ3_b17_1: Q3_b17.1 R10_b17.1 | length 101.8
  Top Layer w10: R10_b17.1@9840.11,978.58 9840.11,1018.12 9859.83,1037.84 Q3_b17.1@9859.83,1072.18